# Altium PCB PrototypeSingle.PcbDoc (part 1 of 3)
Units mm, origin at the board's own origin, x right, y up, seen from the top; angles counter-clockwise.
Board outline 125.05 x 120.1 mm, 2 copper layers (L1_Top, L14_Bot), stack 1.671 mm thick; 216 components, 146 nets, 610 pads, 970 vias.
Unrouted connection lines stored in the file: 121.
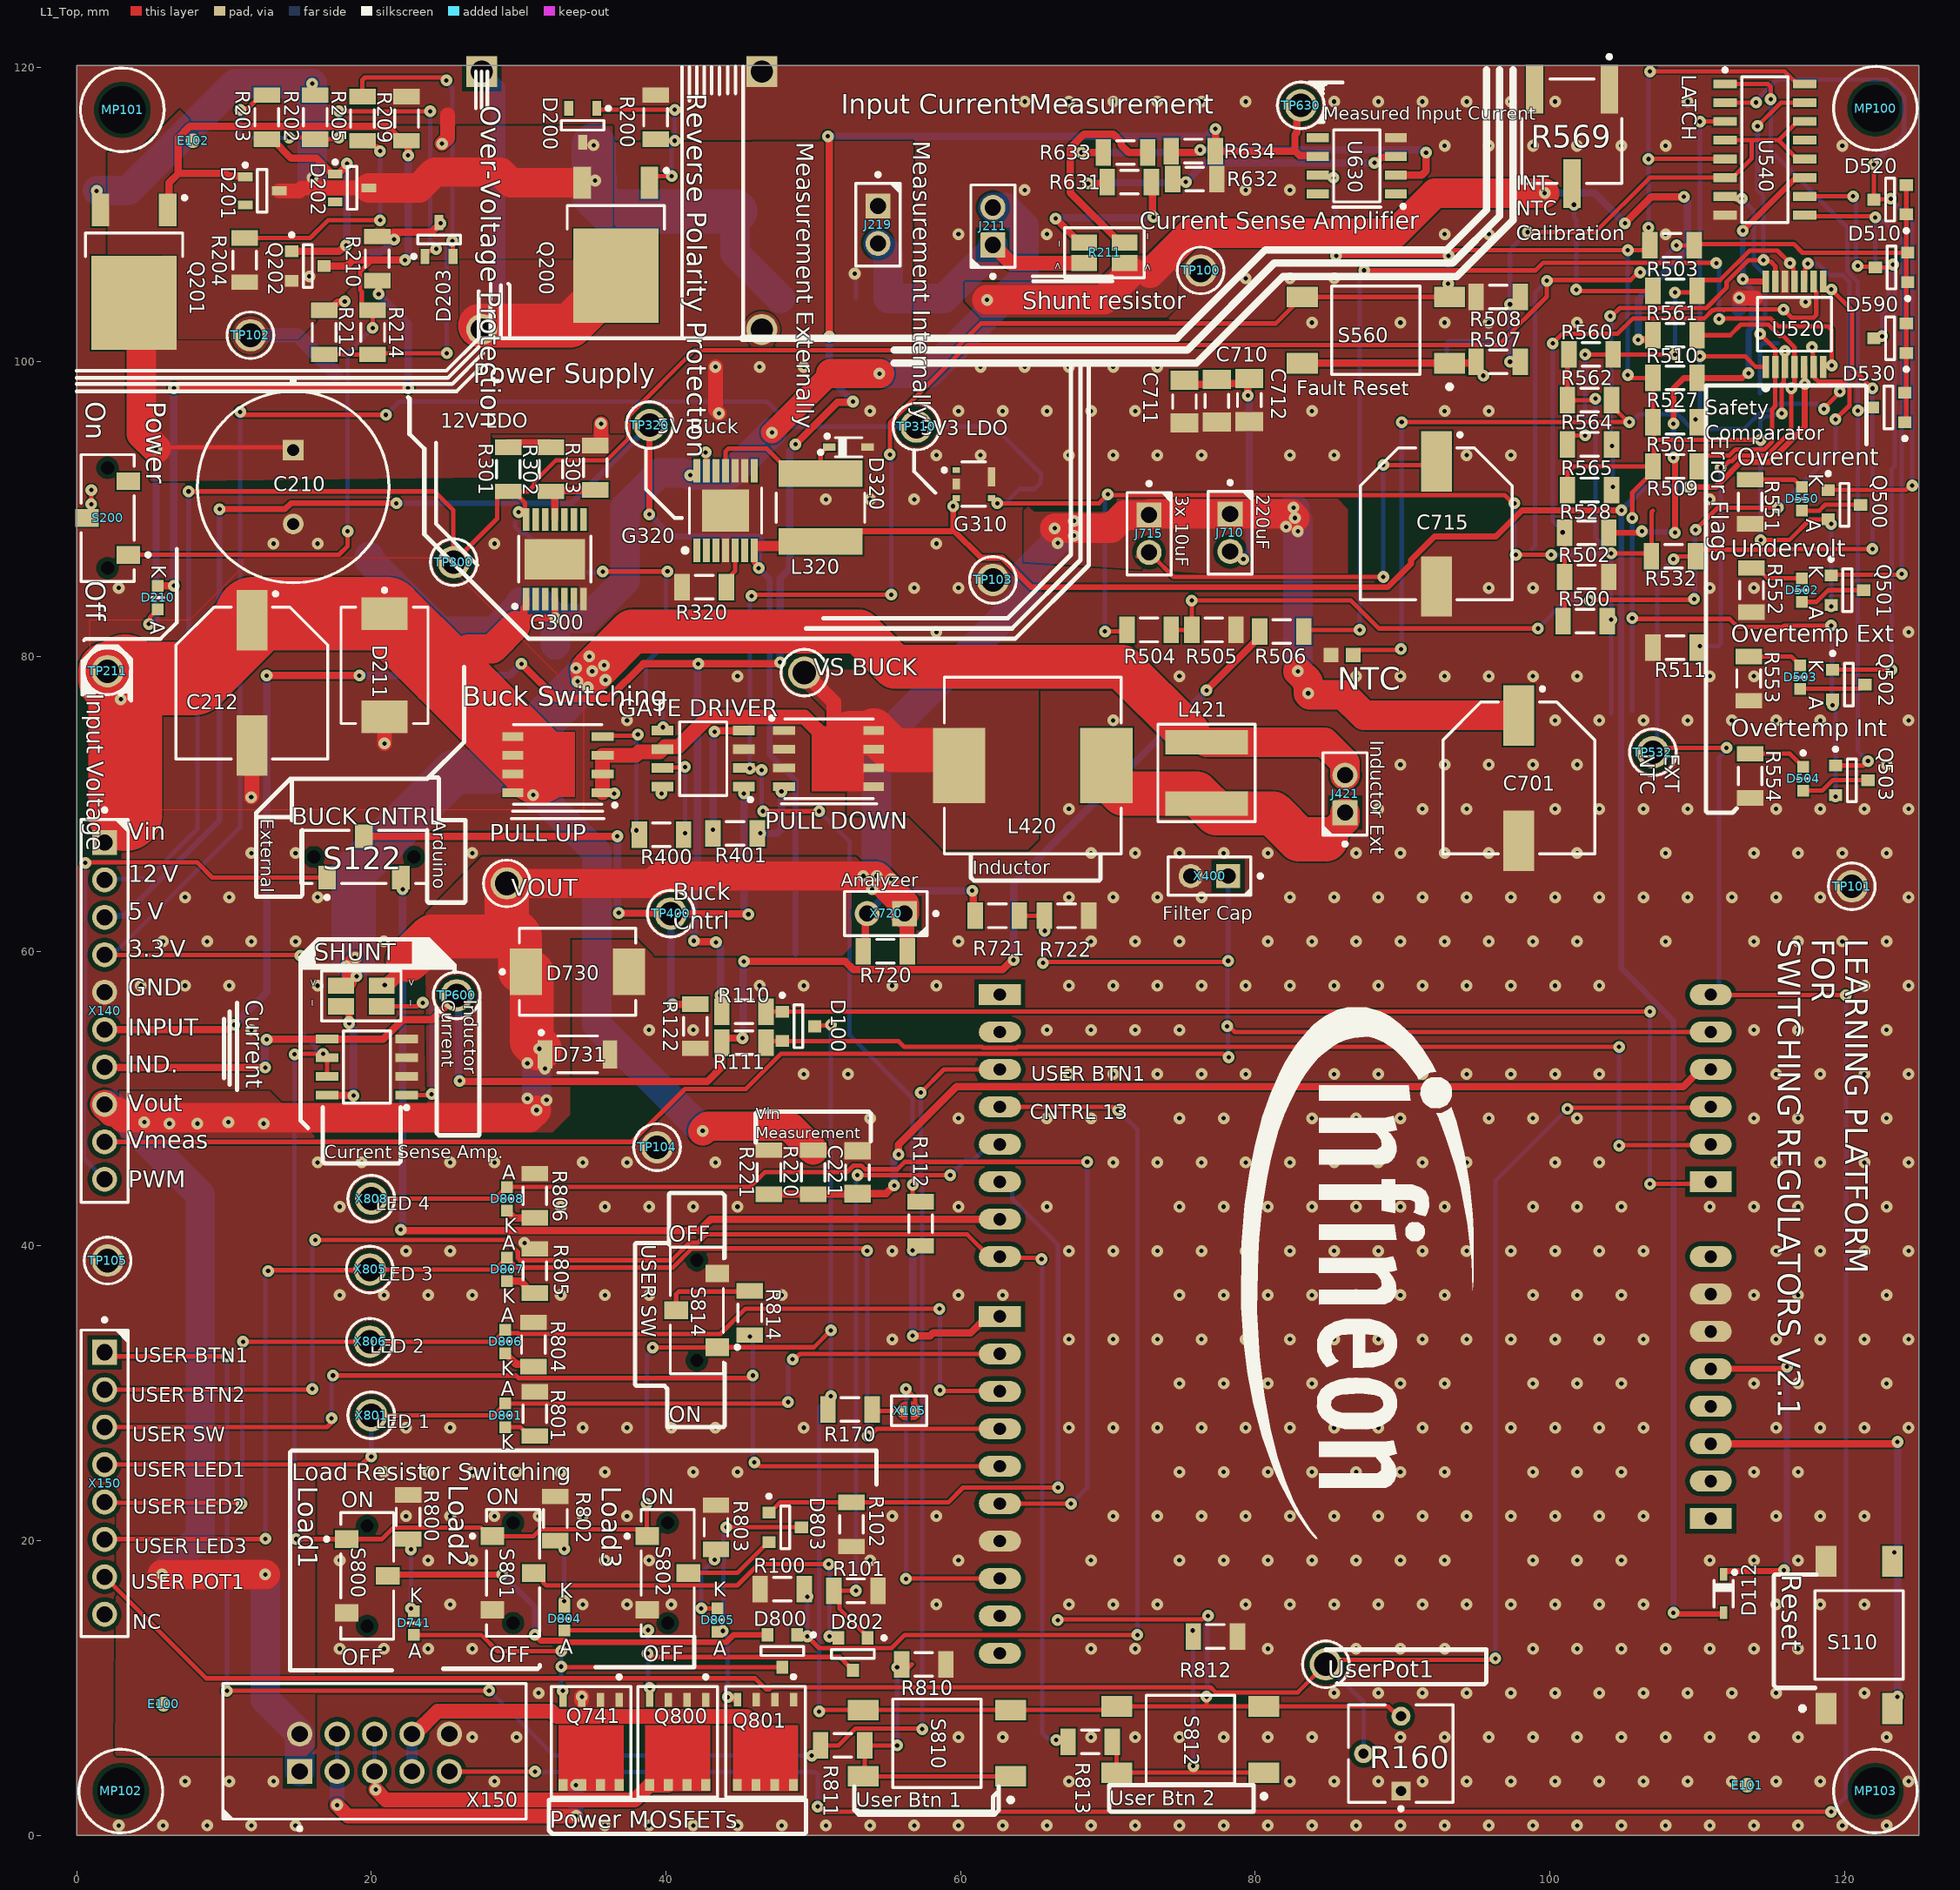
[diagram p0: L1_Top view]
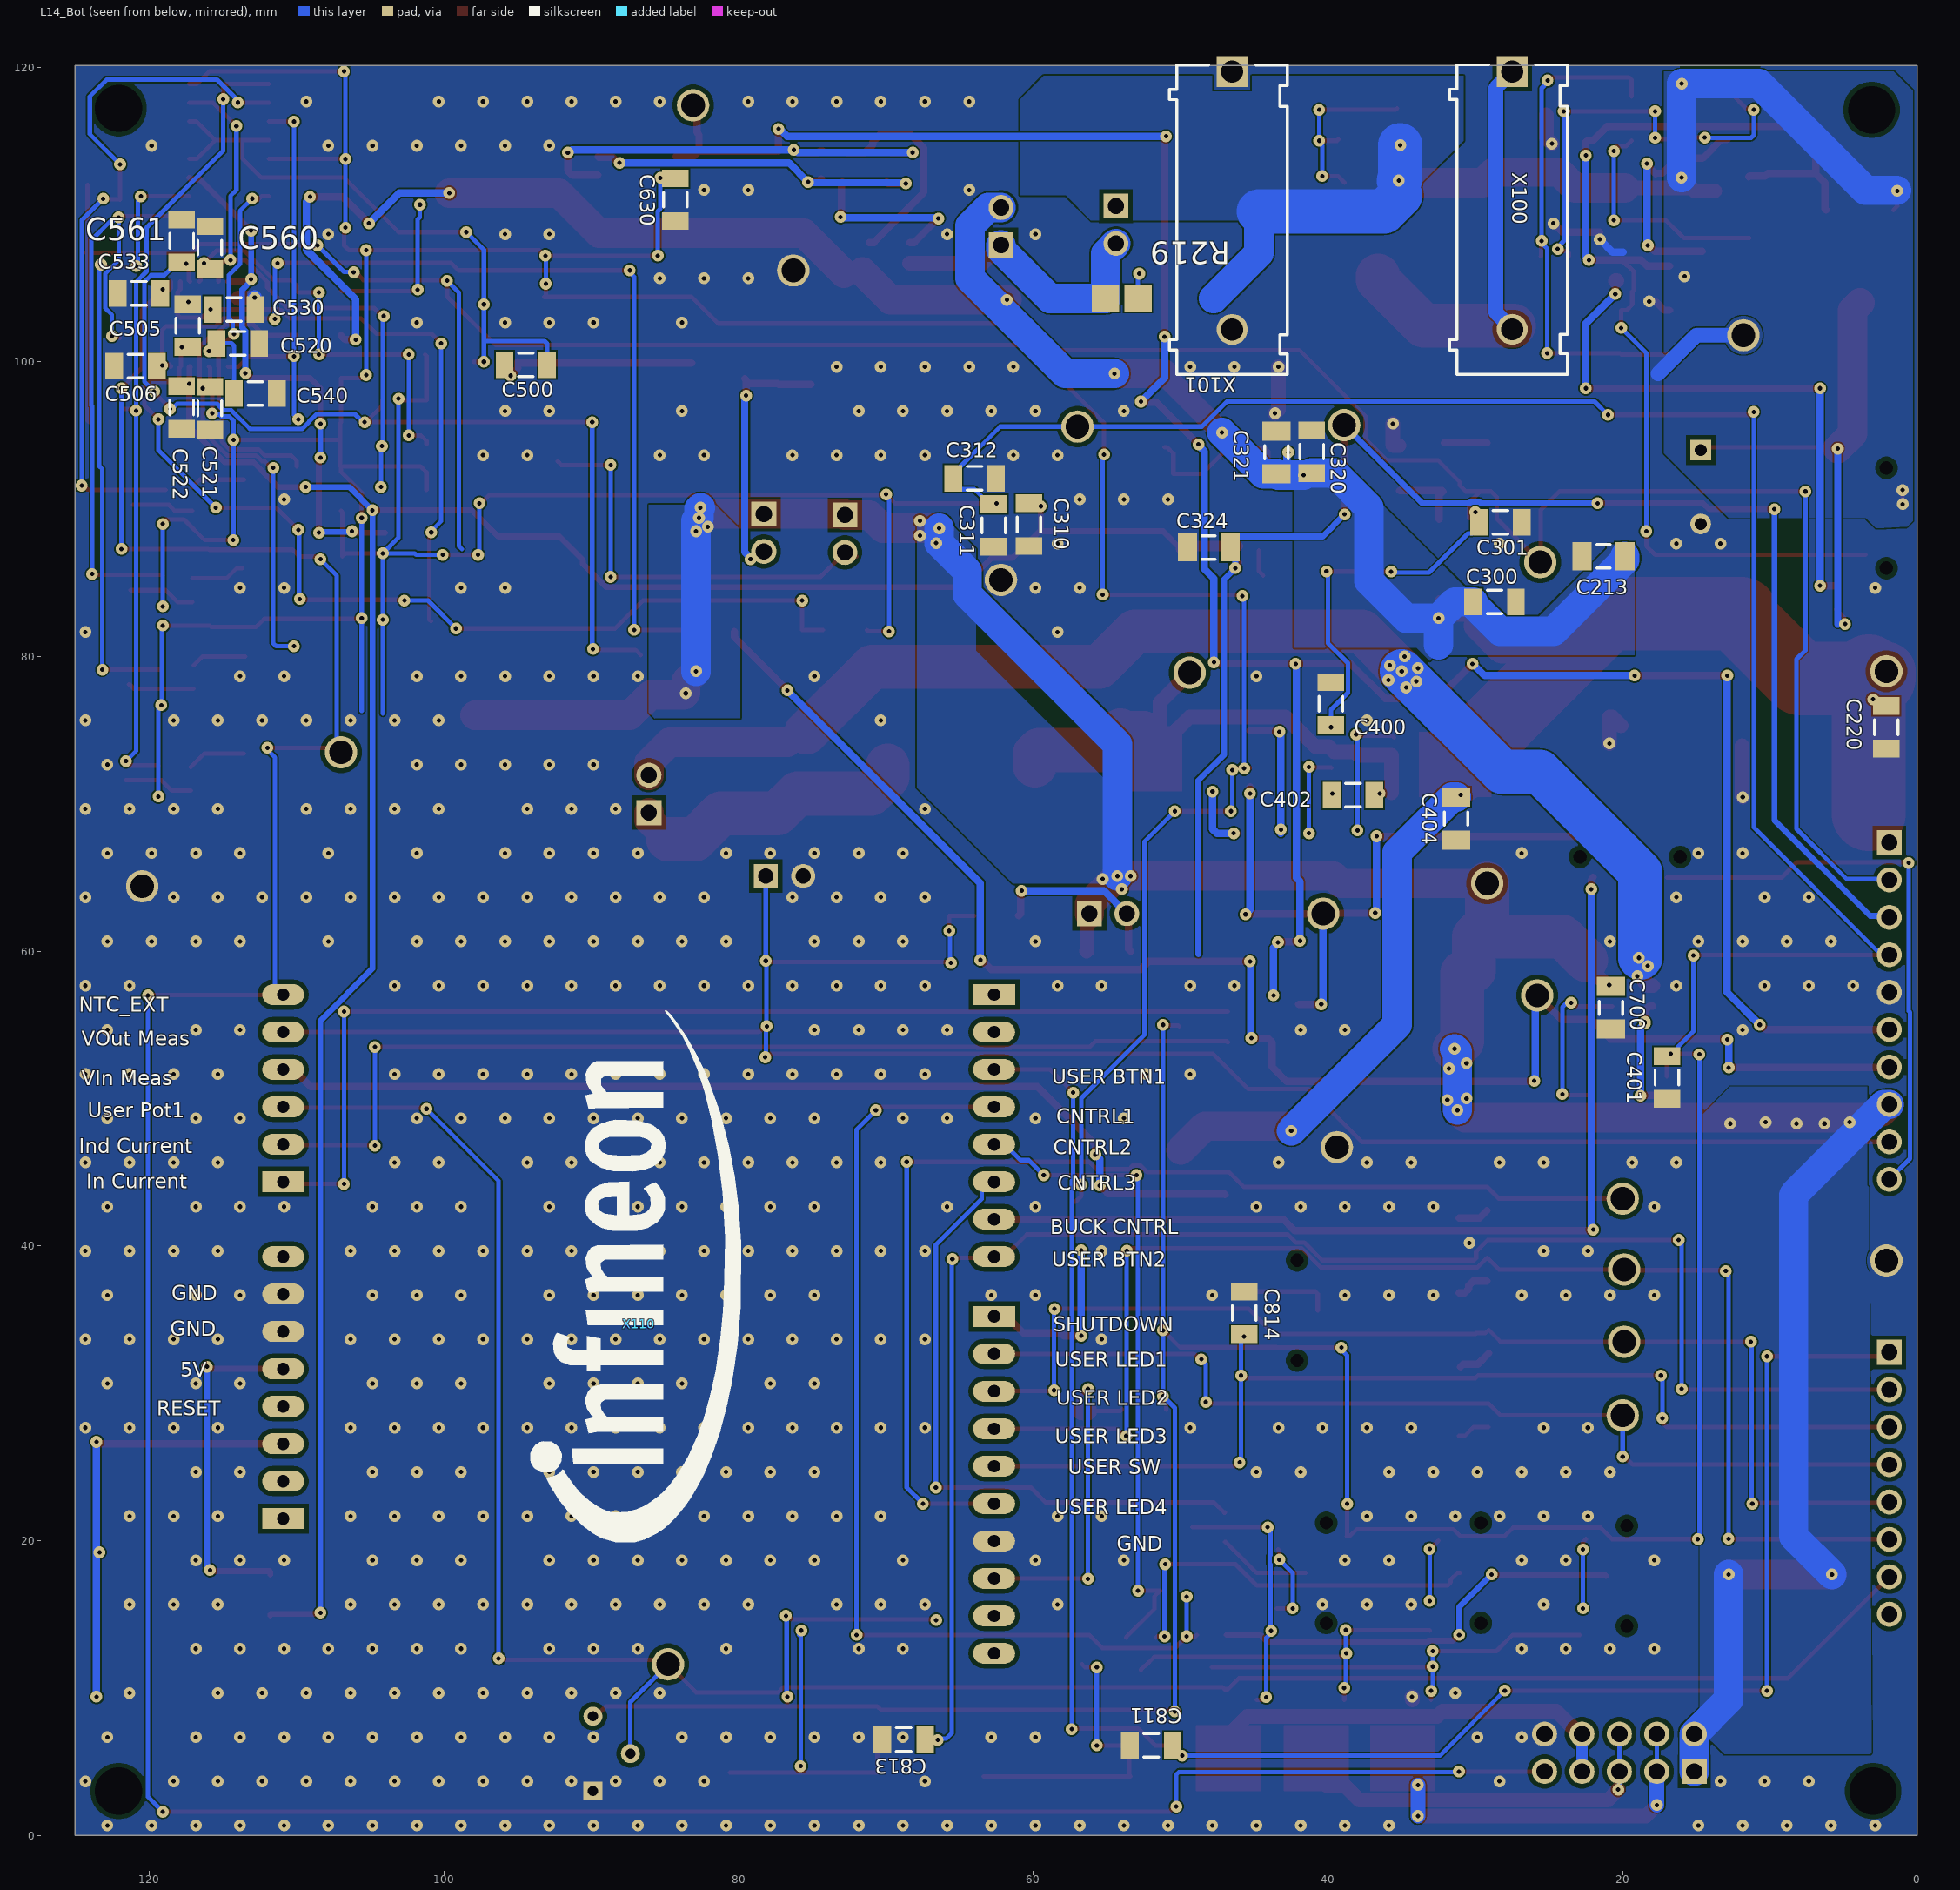
[diagram p1: L14_Bot view, seen from below]

## Layer stack, top to bottom
Top Solder: solder mask 0.0102, Solder Resist, Dk 3.5
L1_Top: signal copper 0.0356
Dielectric4: prepreg 1.6, FR-4, Dk 4.2
L14_Bot: signal copper 0.0356
Bottom Solder: solder mask 0.0102, Solder Resist, Dk 3.5

## Board outline
0,0 125.048,0 125.048,120.099 0.001,120.099

## Design rules (kind name [scope] priority, off if disabled: settings)
Clearance [All] p1: gap=0.1 ignorepadtopadclearanceinfootprint=FALSE except(0.2: Arc-THPad Arc-Hole Track-THPad Track-Hole SMDPad-THPad SMDPad-Hole THPad-THPad THPad-Hole Via-Hole Fill-Hole Poly-Hole Region-Hole Text-Hole; 0.3: Arc-Text Track-Text SMDPad-Text THPad-Via THPad-Fill THPad-Poly THPad-Region THPad-Text Via-Text Fill-Text Poly-Text Region-Text Text-Text)
Clearance Clearance_HighVoltage [InNetClass('HighVoltage') vs Not InNetClass('HighVoltage')] p2 off: gap=0.5 ignorepadtopadclearanceinfootprint=FALSE except(0: Arc-Hole Track-Hole SMDPad-Hole THPad-Hole Via-Hole Fill-Hole Poly-Hole Region-Hole Text-Hole)
Clearance Clearance_BGA [WithinRoom('BGA_Fanout_Area')] p3 off: gap=0.1 ignorepadtopadclearanceinfootprint=FALSE except(0: Arc-Hole Track-Hole SMDPad-Hole THPad-Hole Via-Hole Fill-Hole Poly-Hole Region-Hole Text-Hole) // Clearance for BGA Fanout Area
Clearance Clearance_NDK [((HoleType ='Round') and (PadisPlated = 'False')) and not (Holesize ='0')  or ((HoleType ='Slot') and (PadisPlated = 'False')) and not (Holesize ='0')] p4 off: gap=0.5 ignorepadtopadclearanceinfootprint=FALSE except(0: Arc-Hole Track-Hole SMDPad-Hole THPad-Hole Via-Hole Fill-Hole Poly-Hole Region-Hole Text-Hole) // Clearance Non Plated Holes
Clearance Clearance_Fiducials [InComponentClass('Fiducials')] p5 off: gap=1 ignorepadtopadclearanceinfootprint=FALSE except(0: Arc-Hole Track-Hole SMDPad-Hole THPad-Hole Via-Hole Fill-Hole Poly-Hole Region-Hole Text-Hole)
Clearance Clearance_Edge_Fiducials [InComponentClass('Fiducials')] p6 off: gap=6 ignorepadtopadclearanceinfootprint=FALSE except(0: Arc-Hole Track-Hole SMDPad-Hole THPad-Hole Via-Hole Fill-Hole Poly-Hole Region-Hole Text-Hole) // Protel DXP Scope 2 Expression Was: IsBoardOutline
Clearance Clearance_All [All] p7: gap=0.3 ignorepadtopadclearanceinfootprint=FALSE except(0.127: SMDPad-SMDPad; 0.254: Via-Via) // minimum Clearance on PCB
ComponentClearance ComponentClearance_All [All] p1: gap=0.3 collisioncheckmode=3 verticalgap=0.3 showdistances=TRUE
DiffPairsRouting DiffPairsRouting_Z0_DIFF_100R [InNetClass('Z0_DIFF_100R')] p1: maxlimit=0.2 minlimit=0.2 mostfreqgap=0.2 toplayer_minwidth=0.381 toplayer_maxwidth=0.381 toplayer_prefwidth=0.381 bottomlayer_minwidth=0.381 bottomlayer_maxwidth=0.381 bottomlayer_prefwidth=0.381 maxuncoupledlength=25
DiffPairsRouting DiffPairsRouting_All [All] p2: maxlimit=0.5 minlimit=0.12 mostfreqgap=0.15 toplayer_minwidth=0.381 toplayer_maxwidth=0.381 toplayer_prefwidth=0.381 bottomlayer_minwidth=0.381 bottomlayer_maxwidth=0.381 bottomlayer_prefwidth=0.381 maxuncoupledlength=25
FabricationTestPointUsage TestPointUsage [All] p1: valid=0 allowmultiple=FALSE
FabricationTestpoint Testpoint [All] p1: side=3 testpointundercomponent=TRUE minsize=1 maxsize=2.5 preferedsize=1.5 minholesize=0 maxholesize=1 preferedholesize=0.8 testpointgrid=0.025 allowsidetop=TRUE allowsidebottom=TRUE usegrid=TRUE gridtolerance=0
FanoutControl Fanout_LCC [All] p1 off: bgadir=Out bgaviamode=Centered fanoutstyle=Auto fanoutdirection=Alternating viagrid=0.025 // Protel DXP Scope 1 Expression Was: IsLCC   Fanout_LCC (Default Rule)
FanoutControl Fanout_BGA [All] p2 off: bgadir=Out bgaviamode=Centered fanoutstyle=Auto fanoutdirection=Alternating viagrid=0.025 // Protel DXP Scope 1 Expression Was: IsBGA   Fanout_BGA (Default Rule)
FanoutControl Fanout_SOIC [All] p3 off: bgadir=Out bgaviamode=Centered fanoutstyle=Auto fanoutdirection=Alternating viagrid=0.025 // Protel DXP Scope 1 Expression Was: IsSOIC   Fanout_SOIC (Default Rule)
FanoutControl Fanout_Default [All] p4: bgadir=Out bgaviamode=Centered fanoutstyle=Auto fanoutdirection=Alternating viagrid=0.025 // Fanout_Default (Default Rule)
FanoutControl Fanout_Small [All] p5 off: bgadir=Out bgaviamode=Centered fanoutstyle=Auto fanoutdirection=Alternating viagrid=0.025 // Protel DXP Scope 1 Expression Was: (CompPinCount < 5)   Fanout_Small (Default Rule)
Height Height_Top_In_Area [WithinRoom('Height_Top_Area')] p1 off: minheight=0 maxheight=8.4 prefheight=5.7 // Dedicated Height Constraint in Area
Height Height_Bot_No_Constraint [InComponentClass('Height_Bottom_exclude')] p2 off: minheight=0 maxheight=999 prefheight=12.7 // no max. Height constraint on Bottom Side
Height Height_Top_No_Constraint [InComponentClass('Height_Top_exclude')] p3 off: minheight=0 maxheight=999 prefheight=12.7 // no max. Height constraint on Top Side
Height Height_Bot [OnBottom] p4 off: minheight=0 maxheight=3 prefheight=2.5 // max. Component Height on PCB Bottom Side
Height Height_All [All] p5 off: minheight=0 maxheight=50 prefheight=12.7 // Default Component Height
HoleSize HoleSize_All [All] p1: absolutevalues=TRUE maxlimit=5 minlimit=0.2 maxpercent=80.000 minpercent=20.000
HoleToHoleClearance [All] p1: gap=0.25 allowstackedmicrovias=TRUE
Length Length_HighSpeed [InNetClass('HighSpeed')] p1: maxlimit=250 minlimit=0
Length Length_Default [InNetClass('TraceLength')] p2: maxlimit=500 minlimit=0 // min./max. Trace Length will be applied
MatchedLengths MatchedLengths_HighSpeed [InNetClass('HighSpeed')] p1: tolerance=25.4 checknetsindiffpair=FALSE checkdiffpairvsdiffpair=TRUE checkxsignals=TRUE checkothers=TRUE
MatchedLengths MatchedLengths_Default [InNetClass('MatchedLength')] p2: tolerance=100.5 checknetsindiffpair=TRUE checkdiffpairvsdiffpair=FALSE checkxsignals=FALSE checkothers=FALSE // Default Length Matching
MaxMinImpedance MaxMinImpedance_Z0_50R [InNetClass('Z0_50R')] p1: minimum=45,00 maximum=55,00 // Impedance Tolerance for 50 Ohms Traces
MaxMinImpedance MaxMinImpedance_All [All] p2: minimum=30,00 maximum=80,00 // Default Impedance Tolerance
MaximumViaCount MaximumViaCount_CLK [InNetClass('Clock')] p1: limit=10
MaximumViaCount MaximumViaCount_HighSpeed [InNetClass('HighSpeed')] p2: limit=10 // Max. Number of Vias in Net
MinimumAnnularRing MinimumAnnularRing_All [All] p1: minimumring=0.15
MinimumSolderMaskSliver [All] p1: minsoldermaskwidth=0.2
NetAntennae NetAntennae_High_Speed [InNetClass('HighSpeed')] p1: netantennaetolerance=3
NetAntennae NetAntennae_All [All] p2: netantennaetolerance=10
ParallelSegment ParallelSegment_Broad_Default [InNetClass('XTalk_Broadside_Coupled') vs InNetClass('HighSpeed') Or InNetClass('XTalk_Broadside_Coupled') Or InNetClass('XTalk_Edge_Coupled')] p1: limit=15 gap=0.2 // Default Rule for Broadside-Coupled Traces
ParallelSegment ParallelSegment_Edge_Default [InNetClass('XTalk_Edge_Coupled') vs InNetClass('HighSpeed') Or InNetClass('XTalk_Broadside_Coupled') Or InNetClass('XTalk_Edge_Coupled')] p2: limit=15 gap=0.12 // Default Rule for Edge-Coupled Traces
ParallelSegment ParallelSegment_Default [InNetClass('HighSpeed') vs InNetClass('HighSpeed')] p3: limit=25 gap=0.12 // Max. Coupled Length for all High-Speed Signals
PlaneClearance PlaneClearance_HighVoltage [InNetClass('HighVoltage')] p1: clearance=0.5
PlaneClearance [All] p2: clearance=0.2
PlaneConnect PlaneConnect_All [All] p1: planeconnectstyle=Direct reliefexpansion=0.2 reliefentries=4 reliefconductorwidth=0.25 reliefairgap=0.2
PolygonConnect PolygonConnect_HighCurrent [(OnTopLayer Or OnBottomLayer) And InNetClass('HighCurrent')] p1 off: connectstyle=Relief reliefconductorwidth=0.25 reliefentries=4 polygonreliefangle="90 Angle" airgapwidth=0.25
PolygonConnect PolygonConnect_Outer [OnTopLayer Or OnBottomLayer] p2 off: connectstyle=Relief reliefconductorwidth=0.2 reliefentries=4 polygonreliefangle="90 Angle" airgapwidth=0.25 // Polygon Connection on outer Layers
PolygonConnect PolygonConnect_All [All] p3: connectstyle=Direct reliefconductorwidth=0.2 reliefentries=4 polygonreliefangle="90 Angle" airgapwidth=0.25 // Default Polygon Connection
RoutingCorners [All] p1: cornerstyle=45-Degree minsetback=2 maxsetback=2
RoutingTopology RoutingTopology_CLK [InNetClass('Clock')] p1: topology=Daisy_Balanced
RoutingTopology RoutingTopology_HighSpeed [InNetClass('HighSpeed')] p2: topology=Daisy_Simple
RoutingTopology RoutingTopology_All [All] p3: topology=Shortest
RoutingVias RoutingVias_HighCurrent [InNetClass('HighCurrent')] p1 off: holewidth=0.3 width=0.9 viastyle="Through Hole" minholewidth=0.3 minwidth=0.9 maxholewidth=0.4 maxwidth=0.9 // Via Size for High-Current Nets
RoutingVias RoutingVias_BGA_Fanout [WithinRoom('BGA_Fanout_Area')] p2 off: holewidth=0.2 width=0.48 viastyle="Through Hole" minholewidth=0.2 minwidth=0.48 maxholewidth=0.3 maxwidth=0.8 // Via Size for BGA Fanout Area
RoutingVias RoutingVias_PWR [All] p3 off: holewidth=0.3 width=0.8 viastyle="Through Hole" minholewidth=0.25 minwidth=0.8 maxholewidth=0.3 maxwidth=0.9 // Via size for Power and GND nets
RoutingVias RoutingVias_All [All] p4: holewidth=0.3 width=0.8 viastyle="Through Hole" minholewidth=0.2 minwidth=0.4 maxholewidth=0.3 maxwidth=0.8 // Default Via size
SilkToSilkClearance [All] p1: silktosilkclearance=0.15
SilkToSolderMaskClearance SilkscreenOverComponentPads [IsPad] p1: minsilkscreentomaskgap=0.2 clearancetoexposedcopper=TRUE
SolderMaskExpansion SolderMaskExpansion_1 [IsVia] p1: expansion=0.102 istentingtop=TRUE
SolderMaskExpansion [All] p2: expansion=0.1 istentingtop=FALSE
StubLength StubLength_CLK [InNetClass('Clock')] p1: limit=25
StubLength StubLength_HighSpeed [InNetClass('HighSpeed')] p2: limit=30
SupplyNets SupplyNets_GND [InNet('GND')] p1: voltage=0,000
SupplyNets SupplyNets_12V [InNetClass('PWR_Supply_12V')] p2: voltage=12,00
SupplyNets SupplyNets_5V0 [InNetClass('PWR_Supply_5V0')] p3: voltage=5,000
SupplyNets SupplyNets_3V3 [InNetClass('PWR_Supply_3V3')] p4: voltage=3,000
SupplyNets SupplyNets_1V0 [InNetClass('PWR_Supply_1V0')] p5: voltage=1,000
Width Width_HighCurrent [All] p1: maxlimit=5 minlimit=0.3 preferedwidth=0.3 // Width for High-Current Traces
Width Width_BGA_Fanout [WithinRoom('BGA_Fanout_Area')] p2: maxlimit=1 minlimit=0.1 preferedwidth=0.1 // Trace Width for BGA Fanout Area
Width Width_Z0_DIFF_100R [InNetClass('Z0_DIFF_100R')] p3: maxlimit=0.12 minlimit=0.12 preferedwidth=0.12 minimp=50.000000 maximp=50.000000 favimp=50.000000
Width Width_Z0_50R [InNetClass('Z0_50R')] p4: maxlimit=0.16 minlimit=0.16 preferedwidth=0.16 minimp=50.000000 maximp=50.000000 favimp=50.000000
Width Width_PWR [InNetClass('Power')] p5: maxlimit=5 minlimit=0.2 preferedwidth=0.2 // Width for Power and GND nets
Width Width_All [All] p6: maxlimit=5 minlimit=0.12 preferedwidth=0.15 // minimum Width on PCB
10 further rules are at their usual default settings.

## Classes and differential pairs
component class U_User: C811 C813 C814 D741 D800 D801 D802 D803 D804 D805 D806 D807 D808 Q741 Q800 Q801 R800 R801 R802 R803 R804 R805 R806 R810 R811 R812 R813 R814 S800 S801 S802 S810 S812 S814 X801 X805 X806 X808
component class U_Safety: 32 C500 C505 C506 C520 C521 C522 C530 C533 C540 C560 C561 D502 D503 D504 D510 D520 D530 D550 D590 NTC Q500 Q501 Q502 Q503 R500 R501 R502 R503 R504 R505 R506 R507 R508 R509 R510 R511 R527 R528 R532 R551 R552 R553 R554 R560 R561 R562 R564 R565 R569 S560 TP532 U520 U540
component class U_PowerSupply: C300 C301 C310 C311 C312 C320 C321 C324 D320 G300 G310 G320 L320 R301 R302 R303 R320 TP300 TP310 TP320
component class U_PowerStage: C400 C401 C402 C404 C700 C701 C710 C711 C712 C715 "Current Sense Amp." D730 D731 "GATE DRIVER" J421 J710 J715 JP421 JP710 L420 L421 "PULL DOWN" "PULL UP" R400 R401 R720 R721 R722 Shunt TP400 TP600 VOut "VS BUCK" X400 X720
component class U_Input: C210 C212 C213 C220 C221 C630 D200 D201 D202 D203 D210 D211 J211 J219 Q200 Q201 Q202 R200 R202 R203 R204 R205 R209 R210 R211 R212 R214 R219 R220 R221 R631 R632 R633 R634 S200 TP211 TP630 U630
component class 02_Top_Level: D100 D112 E100 E101 E102 JP122 MP100 MP101 MP102 MP103 R100 R101 R102 R110 R111 R112 R122 R160 R170 S110 S122 TP100 TP101 TP102 TP103 TP104 TP105 UserPot1 X100 X101 X102 X103 X105 X110 X140 X150
